# Altium PCB PCB22.PcbDoc (part 8 of 16)
Units mm, origin at the board's own origin, x right, y up, seen from the top; angles counter-clockwise.
Board outline 233.7 x 110.51 mm, 4 copper layers (Top Layer, Layer 1, Layer 2, Bottom Layer), stack 0.603 mm thick; 1249 components, 1355 nets, 4549 pads, 1315 vias.
Unrouted connection lines stored in the file: 1569.
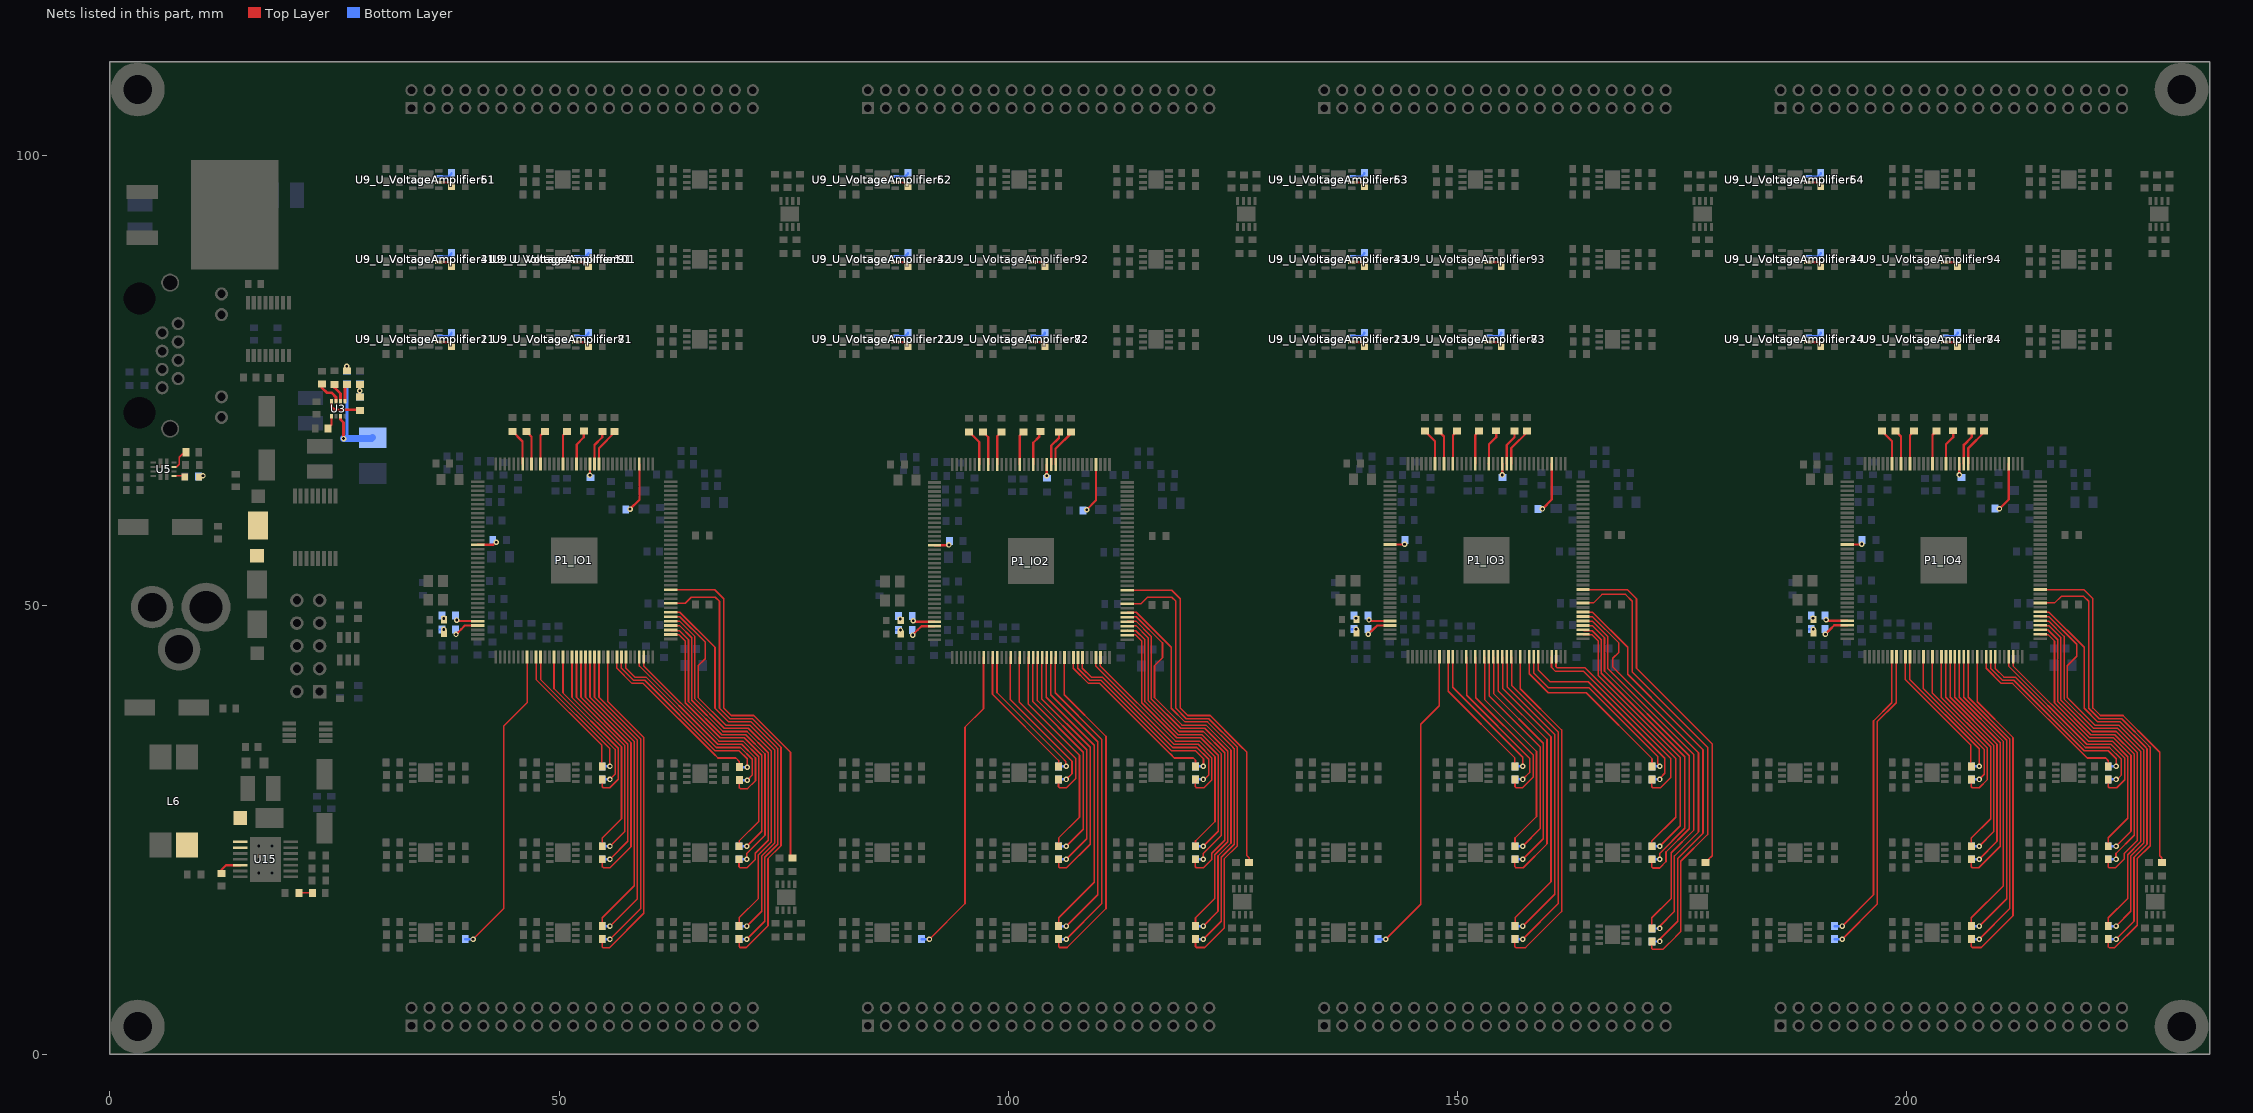
[diagram p10: the nets of this part, all layers, seen from the top]

## Via types
v1: diameter 0.61, hole 0.305, Top Layer to Bottom Layer, 1315 vias

## Nets (pads, with @x,y where several pads share a name; then routed paths per layer and width w, separated by ;. In a path a pad name is that pad's centre, name@x,y a point inside that pad or via, vN(x,y) a via of type N, cw(c..) or ccw(c..) an arc to the next point about the centre after c; other vN are vias at no path point) (continued)
GPIO_48_IO4: P1_IO4.43 R26_U_VoltageAmplifier254.1 | length 33.1
  Top Layer w0.178: v1(192.814,14.279) 196.298,17.764 196.298,37.119 198.332,39.153 P1_IO4.43@198.332,44.241
  Bottom Layer w0.254: R26_U_VoltageAmplifier254.1@191.95,14.279 v1(192.814,14.279)
GPIO_49_IO1: P1_IO1.44 R28_U_VoltageAmplifier251.1 | length 34.8
  Top Layer w0.178: v1(40.414,12.832) 43.83,16.248 43.83,36.548 46.432,39.15 P1_IO1.44@46.432,44.241
  Bottom Layer w0.254: R28_U_VoltageAmplifier251.1@39.55,12.832 v1(40.414,12.832)
GPIO_49_IO2: P1_IO2.44 R28_U_VoltageAmplifier252.1 | length 34.8
  Top Layer w0.178: v1(91.214,12.832) 95.178,16.796 95.178,36.431 97.232,38.485 P1_IO2.44@97.232,44.241
  Bottom Layer w0.254: R28_U_VoltageAmplifier252.1@90.35,12.832 v1(91.214,12.832)
GPIO_49_IO3: P1_IO3.44 R28_U_VoltageAmplifier253.1 | length 34.8
  Top Layer w0.178: v1(142.014,12.832) 145.893,16.711 145.893,36.742 147.954,38.802 147.954,44.235 P1_IO3.44@147.981,44.263
  Bottom Layer w0.254: R28_U_VoltageAmplifier253.1@141.15,12.832 v1(142.014,12.832)
GPIO_49_IO4: P1_IO4.44 R28_U_VoltageAmplifier254.1 | length 34.8
  Top Layer w0.178: v1(192.814,12.832) 196.724,16.742 196.724,37.042 198.832,39.15 P1_IO4.44@198.832,44.241
  Bottom Layer w0.254: R28_U_VoltageAmplifier254.1@191.95,12.832 v1(192.814,12.832)
GPIO_50_IO1: P1_IO1.52 R26_U_VoltageAmplifier261.1 | length 19.2
  Top Layer w0.178: P1_IO1.52@50.432,44.241 50.432,40.235 56.581,34.087 56.581,30.64 55.624,29.683 54.894,29.683 54.79,29.788 R26_U_VoltageAmplifier261.1@54.79,30.612
GPIO_50_IO2: P1_IO2.52 R26_U_VoltageAmplifier262.1 | length 19.4
  Top Layer w0.178: P1_IO2.52@101.232,44.241 101.232,39.199 107.491,32.94 107.491,30.702 106.46,29.672 105.683,29.672 105.578,29.776 R26_U_VoltageAmplifier262.1@105.578,30.6
  Top Layer w0.254: R26_U_VoltageAmplifier262.1@105.578,30.6 R26_U_VoltageAmplifier262.1@105.59,30.612
GPIO_50_IO3: P1_IO3.52 R26_U_VoltageAmplifier263.1 | length 19.4
  Top Layer w0.178: P1_IO3.52@152.032,44.241 152.032,39.708 158.426,33.313 158.426,30.885 157.225,29.683 156.494,29.683 156.39,29.788 R26_U_VoltageAmplifier263.1@156.39,30.612
GPIO_50_IO4: P1_IO4.52 R26_U_VoltageAmplifier264.1 | length 19.2
  Top Layer w0.178: P1_IO4.52@202.832,44.241 202.832,40.235 208.981,34.087 208.981,30.596 208.069,29.683 207.294,29.683 207.19,29.788 R26_U_VoltageAmplifier264.1@207.19,30.612
GPIO_51_IO1: P1_IO1.46 R28_U_VoltageAmplifier261.1 | length 15.2
  Top Layer w0.178: P1_IO1.46@47.432,44.241 47.432,41.726 54.728,34.431 54.728,32.121 R28_U_VoltageAmplifier261.1@54.79,32.059
  Top Layer w0.254: R28_U_VoltageAmplifier261.1@54.79,32.059 R28_U_VoltageAmplifier261.1@54.802,32.071
GPIO_51_IO2: P1_IO2.46 R28_U_VoltageAmplifier262.1 | length 15.2
  Top Layer w0.178: P1_IO2.46@98.232,44.241 98.232,40.073 105.59,32.715 R28_U_VoltageAmplifier262.1@105.59,32.059
GPIO_51_IO3: P1_IO3.46 R28_U_VoltageAmplifier263.1 | length 15.3
  Top Layer w0.178: P1_IO3.46@148.981,44.263 148.954,44.235 148.954,40.435 156.387,33.002 156.387,32.063 R28_U_VoltageAmplifier263.1@156.39,32.059
GPIO_51_IO4: P1_IO4.46 R28_U_VoltageAmplifier264.1 | length 15.2
  Top Layer w0.178: P1_IO4.46@199.832,44.241 199.832,41.726 207.128,34.431 207.128,32.121 R28_U_VoltageAmplifier264.1@207.19,32.059
GPIO_52_IO1: P1_IO1.47 R26_U_VoltageAmplifier271.1 | length 16.2
  Top Layer w0.178: P1_IO1.47@47.932,44.241 47.932,41.729 55.654,34.008 v1(55.654,32.059)
  Bottom Layer w0.254: R26_U_VoltageAmplifier271.1@54.79,32.059 v1(55.654,32.059)
GPIO_52_IO2: P1_IO2.47 R26_U_VoltageAmplifier272.1 | length 16.2
  Top Layer w0.178: P1_IO2.47@98.732,44.241 98.732,40.28 106.242,32.771 106.371,32.641 106.371,32.142 v1(106.454,32.059)
  Bottom Layer w0.254: R26_U_VoltageAmplifier272.1@105.59,32.059 v1(106.454,32.059)
GPIO_52_IO3: P1_IO3.47 R26_U_VoltageAmplifier273.1 | length 16.3
  Top Layer w0.178: P1_IO3.47@149.481,44.263 149.454,44.235 149.454,40.869 157.254,33.07 v1(157.254,32.059)
  Bottom Layer w0.254: R26_U_VoltageAmplifier273.1@156.39,32.059 v1(157.254,32.059)
GPIO_52_IO4: P1_IO4.47 R26_U_VoltageAmplifier274.1 | length 16.2
  Top Layer w0.178: P1_IO4.47@200.332,44.241 200.332,41.729 208.054,34.008 v1(208.054,32.059)
  Bottom Layer w0.254: R26_U_VoltageAmplifier274.1@207.19,32.059 v1(208.054,32.059)
GPIO_53_IO1: P1_IO1.50 R28_U_VoltageAmplifier271.1 | length 17.5
  Top Layer w0.178: P1_IO1.50@49.432,44.241 49.432,40.732 56.225,33.939 56.225,31.183 v1(55.654,30.612)
  Bottom Layer w0.254: R28_U_VoltageAmplifier271.1@54.79,30.612 v1(55.654,30.612)
GPIO_53_IO2: P1_IO2.50 R28_U_VoltageAmplifier272.1 | length 17.6
  Top Layer w0.178: P1_IO2.50@100.232,44.241 100.232,39.481 107.083,32.63 107.083,31.241 v1(106.454,30.612)
  Bottom Layer w0.254: R28_U_VoltageAmplifier272.1@105.59,30.612 v1(106.454,30.612)
GPIO_53_IO3: P1_IO3.50 R28_U_VoltageAmplifier273.1 | length 17.7
  Top Layer w0.178: P1_IO3.50@151.032,44.241 151.032,39.962 158.02,32.974 158.02,31.378 v1(157.254,30.612)
  Bottom Layer w0.254: R28_U_VoltageAmplifier273.1@156.39,30.612 v1(157.254,30.612)
GPIO_53_IO4: P1_IO4.50 R28_U_VoltageAmplifier274.1 | length 17.5
  Top Layer w0.178: P1_IO4.50@201.832,44.241 201.832,40.732 208.625,33.939 208.625,31.183 v1(208.054,30.612)
  Bottom Layer w0.254: R28_U_VoltageAmplifier274.1@207.19,30.612 v1(208.054,30.612)
GPIO_54_IO1: P1_IO1.57 R26_U_VoltageAmplifier281.1 | length 28.3
  Top Layer w0.178: P1_IO1.57@52.932,44.241 52.932,39.747 58.003,34.676 58.003,23.122 55.674,20.793 54.894,20.793 54.79,20.898 R26_U_VoltageAmplifier281.1@54.79,21.722
GPIO_54_IO2: P1_IO2.57 R26_U_VoltageAmplifier282.1 | length 28.5
  Top Layer w0.178: P1_IO2.57@103.732,44.241 103.732,39.558 109.109,34.181 109.109,23.396 106.506,20.793 105.694,20.793 105.59,20.898 R26_U_VoltageAmplifier282.1@105.59,21.722
GPIO_54_IO3: P1_IO3.57 R26_U_VoltageAmplifier283.1 | length 28.6
  Top Layer w0.178: P1_IO3.57@154.481,44.263 154.51,44.234 154.51,40.491 159.95,35.051 159.95,23.432 157.306,20.788 156.488,20.788 156.384,20.892 R26_U_VoltageAmplifier283.1@156.384,21.716
  Top Layer w0.254: R26_U_VoltageAmplifier283.1@156.378,21.71 R26_U_VoltageAmplifier283.1@156.39,21.722
GPIO_54_IO4: P1_IO4.57 R26_U_VoltageAmplifier284.1 | length 28.3
  Top Layer w0.178: P1_IO4.57@205.332,44.241 205.332,39.747 210.403,34.676 210.403,23.176 208.009,20.782 207.283,20.782 207.178,20.886 R26_U_VoltageAmplifier284.1@207.178,21.71
  Top Layer w0.254: R26_U_VoltageAmplifier284.1@207.178,21.71 R26_U_VoltageAmplifier284.1@207.19,21.722
GPIO_55_IO1: P1_IO1.54 R28_U_VoltageAmplifier281.1 | length 24.2
  Top Layer w0.178: P1_IO1.54@51.432,44.241 51.432,39.738 56.936,34.234 56.936,26.232 54.802,24.098 54.802,23.181 R28_U_VoltageAmplifier281.1@54.79,23.169
GPIO_55_IO2: P1_IO2.54 R28_U_VoltageAmplifier282.1 | length 24.4
  Top Layer w0.178: P1_IO2.54@102.232,44.241 102.232,38.989 107.915,33.306 107.915,26.411 105.59,24.086 R28_U_VoltageAmplifier282.1@105.59,23.169
GPIO_55_IO3: P1_IO3.54 R28_U_VoltageAmplifier283.1 | length 24.5
  Top Layer w0.178: P1_IO3.54@152.981,44.263 153.01,44.234 153.01,39.494 158.782,33.722 158.782,26.478 156.39,24.086 R28_U_VoltageAmplifier283.1@156.39,23.169
GPIO_55_IO4: P1_IO4.54 R28_U_VoltageAmplifier284.1 | length 24.2
  Top Layer w0.178: P1_IO4.54@203.832,44.241 203.832,39.738 209.336,34.234 209.336,26.232 207.19,24.086 R28_U_VoltageAmplifier284.1@207.19,23.169
GPIO_56_IO1: P1_IO1.55 R26_U_VoltageAmplifier291.1 | length 24.8
  Top Layer w0.178: P1_IO1.55@51.932,44.241 51.932,39.741 57.292,34.381 57.292,24.808 v1(55.654,23.169)
  Bottom Layer w0.254: R26_U_VoltageAmplifier291.1@54.79,23.169 v1(55.654,23.169)
GPIO_56_IO2: P1_IO2.55 R26_U_VoltageAmplifier292.1 | length 25
  Top Layer w0.178: P1_IO2.55@102.732,44.241 102.732,39.25 108.339,33.643 108.339,25.055 v1(106.454,23.169)
  Bottom Layer w0.254: R26_U_VoltageAmplifier292.1@105.59,23.169 v1(106.454,23.169)
GPIO_56_IO3: P1_IO3.55 R26_U_VoltageAmplifier293.1 | length 25.1
  Top Layer w0.178: P1_IO3.55@153.481,44.263 153.51,44.234 153.51,39.926 159.188,34.247 159.188,25.104 v1(157.254,23.169)
  Bottom Layer w0.254: R26_U_VoltageAmplifier293.1@156.39,23.169 v1(157.254,23.169)
GPIO_56_IO4: P1_IO4.55 R26_U_VoltageAmplifier294.1 | length 24.8
  Top Layer w0.178: P1_IO4.55@204.332,44.241 204.332,39.741 209.692,34.381 209.692,24.808 v1(208.054,23.169)
  Bottom Layer w0.254: R26_U_VoltageAmplifier294.1@207.19,23.169 v1(208.054,23.169)
GPIO_57_IO1: P1_IO1.56 R28_U_VoltageAmplifier291.1 | length 26.4
  Top Layer w0.178: P1_IO1.56@52.432,44.241 52.432,39.744 57.647,34.528 57.647,23.715 v1(55.654,21.722)
  Bottom Layer w0.254: R28_U_VoltageAmplifier291.1@54.79,21.722 v1(55.654,21.722)
GPIO_57_IO2: P1_IO2.56 R28_U_VoltageAmplifier292.1 | length 26.6
  Top Layer w0.178: P1_IO2.56@103.232,44.241 103.232,39.397 108.731,33.898 108.731,23.999 v1(106.454,21.722)
  Bottom Layer w0.254: R28_U_VoltageAmplifier292.1@105.59,21.722 v1(106.454,21.722)
GPIO_57_IO3: P1_IO3.56 R28_U_VoltageAmplifier293.1 | length 26.7
  Top Layer w0.178: P1_IO3.56@153.981,44.263 154.01,44.234 154.01,40.171 159.544,34.637 159.544,24.012 v1(157.254,21.722)
  Bottom Layer w0.254: R28_U_VoltageAmplifier293.1@156.39,21.722 v1(157.254,21.722)
GPIO_57_IO4: P1_IO4.56 R28_U_VoltageAmplifier294.1 | length 26.4
  Top Layer w0.178: P1_IO4.56@204.832,44.241 204.832,39.744 210.047,34.528 210.047,23.715 v1(208.054,21.722)
  Bottom Layer w0.254: R28_U_VoltageAmplifier294.1@207.19,21.722 v1(208.054,21.722)
GPIO_58_IO1: P1_IO1.62 R26_U_VoltageAmplifier301.1 | length 37.3
  Top Layer w0.178: R26_U_VoltageAmplifier301.1@54.778,12.82 54.778,11.996 54.883,11.892 55.619,11.892 59.425,15.698 59.425,35.265 55.432,39.258 P1_IO1.62@55.432,44.241
  Top Layer w0.254: R26_U_VoltageAmplifier301.1@54.778,12.82 R26_U_VoltageAmplifier301.1@54.79,12.832
GPIO_58_IO2: P1_IO2.62 R26_U_VoltageAmplifier302.1 | length 37.9
  Top Layer w0.178: R26_U_VoltageAmplifier302.1@105.59,12.832 105.59,12.008 105.694,11.903 106.529,11.903 110.868,16.242 110.868,35.381 106.232,40.017 P1_IO2.62@106.232,44.241
GPIO_58_IO3: P1_IO3.62 R26_U_VoltageAmplifier303.1 | length 38
  Top Layer w0.178: R26_U_VoltageAmplifier303.1@156.378,12.82 156.378,11.996 156.483,11.892 157.564,11.892 161.576,15.904 161.576,36.104 156.973,40.707 156.973,44.254 P1_IO3.62@156.981,44.263
  Top Layer w0.254: R26_U_VoltageAmplifier303.1@156.378,12.82 R26_U_VoltageAmplifier303.1@156.39,12.832
GPIO_58_IO4: P1_IO4.62 R26_U_VoltageAmplifier304.1 | length 37.4
  Top Layer w0.178: R26_U_VoltageAmplifier304.1@207.19,12.832 207.19,12.008 207.294,11.903 208.299,11.903 211.825,15.43 211.825,35.265 207.832,39.258 P1_IO4.62@207.832,44.241
GPIO_59_IO1: P1_IO1.58 R28_U_VoltageAmplifier301.1 | length 33.5
  Top Layer w0.178: P1_IO1.58@53.432,44.241 53.432,39.75 58.359,34.823 58.359,18.765 54.802,15.208 54.802,14.291 R28_U_VoltageAmplifier301.1@54.79,14.279
GPIO_59_IO2: P1_IO2.58 R28_U_VoltageAmplifier302.1 | length 33.8
  Top Layer w0.178: P1_IO2.58@104.232,44.241 104.232,39.75 109.563,34.419 109.563,19.169 105.602,15.208 105.602,14.291 R28_U_VoltageAmplifier302.1@105.59,14.279
GPIO_59_IO3: P1_IO3.58 R28_U_VoltageAmplifier303.1 | length 33.9
  Top Layer w0.178: P1_IO3.58@154.981,44.263 155.01,44.234 155.01,40.755 160.4,35.366 160.4,19.206 156.402,15.208 R28_U_VoltageAmplifier303.1@156.402,14.291
  Top Layer w0.254: R28_U_VoltageAmplifier303.1@156.39,14.279 R28_U_VoltageAmplifier303.1@156.402,14.291
GPIO_59_IO4: P1_IO4.58 R28_U_VoltageAmplifier304.1 | length 33.5
  Top Layer w0.178: P1_IO4.58@205.832,44.241 205.832,39.75 210.759,34.823 210.759,18.765 207.19,15.196 R28_U_VoltageAmplifier304.1@207.19,14.279
GPIO_60_IO1: P1_IO1.59 R26_U_VoltageAmplifier311.1 | length 34.1
  Top Layer w0.178: P1_IO1.59@53.932,44.241 53.932,39.752 58.714,34.97 58.714,17.34 v1(55.654,14.279)
  Bottom Layer w0.254: R26_U_VoltageAmplifier311.1@54.79,14.279 v1(55.654,14.279)
GPIO_60_IO2: P1_IO2.59 R26_U_VoltageAmplifier312.1 | length 34.4
  Top Layer w0.178: P1_IO2.59@104.732,44.241 104.732,40.037 109.954,34.815 109.954,17.78 v1(106.454,14.279)
  Bottom Layer w0.254: R26_U_VoltageAmplifier312.1@105.59,14.279 v1(106.454,14.279)
GPIO_60_IO3: P1_IO3.59 R26_U_VoltageAmplifier313.1 | length 34.5
  Top Layer w0.178: P1_IO3.59@155.481,44.263 155.51,44.234 155.51,40.908 160.814,35.604 160.814,17.84 v1(157.254,14.279)
  Bottom Layer w0.254: R26_U_VoltageAmplifier313.1@156.39,14.279 v1(157.254,14.279)
GPIO_60_IO4: P1_IO4.59 R26_U_VoltageAmplifier314.1 | length 34.1
  Top Layer w0.178: P1_IO4.59@206.332,44.241 206.332,39.752 211.114,34.97 211.114,17.34 v1(208.054,14.279)
  Bottom Layer w0.254: R26_U_VoltageAmplifier314.1@207.19,14.279 v1(208.054,14.279)
GPIO_61_IO1: P1_IO1.60 R28_U_VoltageAmplifier311.1 | length 35.6
  Top Layer w0.178: P1_IO1.60@54.432,44.241 54.432,39.755 59.07,35.118 59.07,16.248 v1(55.654,12.832)
  Bottom Layer w0.254: R28_U_VoltageAmplifier311.1@54.79,12.832 v1(55.654,12.832)
GPIO_61_IO2: P1_IO2.60 R28_U_VoltageAmplifier312.1 | length 36.1
  Top Layer w0.178: P1_IO2.60@105.232,44.241 105.232,40.241 110.411,35.062 110.411,16.789 v1(106.454,12.832)
  Bottom Layer w0.254: R28_U_VoltageAmplifier312.1@105.59,12.832 v1(106.454,12.832)
GPIO_61_IO3: P1_IO3.60 R28_U_VoltageAmplifier313.1 | length 36.1
  Top Layer w0.178: P1_IO3.60@155.981,44.263 156.01,44.234 156.01,41.097 161.22,35.887 161.22,16.798 v1(157.254,12.832)
  Bottom Layer w0.254: R28_U_VoltageAmplifier313.1@156.39,12.832 v1(157.254,12.832)
GPIO_61_IO4: P1_IO4.60 R28_U_VoltageAmplifier314.1 | length 35.6
  Top Layer w0.178: P1_IO4.60@206.832,44.241 206.832,39.755 211.47,35.118 211.47,16.248 v1(208.054,12.832)
  Bottom Layer w0.254: R28_U_VoltageAmplifier314.1@207.19,12.832 v1(208.054,12.832)
GPIO_62_IO1: P1_IO1.69 R26_U_VoltageAmplifier321.1 | length 23.7
  Top Layer w0.178: P1_IO1.69@58.932,44.241 58.932,43.234 67.646,34.52 70.323,34.52 71.85,32.993 71.85,30.47 70.967,29.586 70.158,29.586 70.054,29.691 R26_U_VoltageAmplifier321.1@70.054,30.515
  Top Layer w0.254: R26_U_VoltageAmplifier321.1@70.048,30.509 R26_U_VoltageAmplifier321.1@70.06,30.52
GPIO_62_IO2: P1_IO2.69 R26_U_VoltageAmplifier322.1 | length 23.7
  Top Layer w0.178: P1_IO2.69@109.732,44.241 109.732,43.234 118.446,34.52 121.123,34.52 122.65,32.993 122.65,30.552 121.776,29.678 120.928,29.678 120.824,29.782 R26_U_VoltageAmplifier322.1@120.824,30.606
  Top Layer w0.254: R26_U_VoltageAmplifier322.1@120.818,30.6 R26_U_VoltageAmplifier322.1@120.83,30.612
GPIO_62_IO3: P1_IO3.69 R26_U_VoltageAmplifier323.1 | length 24.2
  Top Layer w0.178: P1_IO3.69@160.481,44.263 160.461,44.242 160.461,43.085 160.914,42.632 164.038,42.632 173.714,32.956 173.714,30.8 172.597,29.683 171.734,29.683 171.63,29.788 R26_U_VoltageAmplifier323.1@171.63,30.612
GPIO_62_IO4: P1_IO4.69 R26_U_VoltageAmplifier324.1 | length 23.7
  Top Layer w0.178: P1_IO4.69@211.332,44.241 211.332,43.234 220.046,34.52 222.723,34.52 224.25,32.993 224.25,30.559 223.375,29.683 222.534,29.683 222.43,29.788 R26_U_VoltageAmplifier324.1@222.43,30.612
GPIO_63_IO1: P1_IO1.64 R28_U_VoltageAmplifier321.1 | length 19.8
  Top Layer w0.178: P1_IO1.64@56.432,44.241 56.432,42.978 58.12,41.29 59.367,41.29 67.204,33.453 67.214,33.453 67.68,32.988 69.674,32.988 70.06,32.601 R28_U_VoltageAmplifier321.1@70.06,31.968
  Top Layer w0.254: R28_U_VoltageAmplifier321.1@70.042,31.986 R28_U_VoltageAmplifier321.1@70.06,31.968
GPIO_63_IO2: P1_IO2.64 R28_U_VoltageAmplifier322.1 | length 19.8
  Top Layer w0.178: P1_IO2.64@107.232,44.241 107.232,42.978 108.92,41.29 110.167,41.29 118.004,33.453 118.014,33.453 118.48,32.988 120.602,32.988 120.83,32.76 R28_U_VoltageAmplifier322.1@120.83,32.059
  Top Layer w0.254: R28_U_VoltageAmplifier322.1@120.83,32.059 R28_U_VoltageAmplifier322.1@120.842,32.071 ; R28_U_VoltageAmplifier322.1@120.842,31.986 R28_U_VoltageAmplifier322.1@120.86,31.968
GPIO_63_IO3: P1_IO3.64 R28_U_VoltageAmplifier323.1 | length 20.3
  Top Layer w0.178: P1_IO3.64@157.981,44.263 157.981,42.373 160.099,40.256 164.312,40.256 171.642,32.926 R28_U_VoltageAmplifier323.1@171.642,32.071
  Top Layer w0.254: R28_U_VoltageAmplifier323.1@171.63,32.059 R28_U_VoltageAmplifier323.1@171.642,32.071
GPIO_63_IO4: P1_IO4.64 R28_U_VoltageAmplifier324.1 | length 19.8
  Top Layer w0.178: P1_IO4.64@208.832,44.241 208.832,42.978 210.52,41.29 211.767,41.29 219.604,33.453 219.614,33.453 220.08,32.988 222.143,32.988 222.43,32.701 R28_U_VoltageAmplifier324.1@222.43,32.059
GPIO_64_IO1: P1_IO1.65 R26_U_VoltageAmplifier331.1 | length 21.2
  Top Layer w0.178: P1_IO1.65@56.932,44.238 56.932,42.981 58.267,41.646 59.515,41.646 67.351,33.809 70.029,33.809 70.923,32.914 v1(70.923,31.968)
  Bottom Layer w0.254: R26_U_VoltageAmplifier331.1@70.06,31.968 v1(70.923,31.968)
GPIO_64_IO2: P1_IO2.65 R26_U_VoltageAmplifier332.1 | length 21.2
  Top Layer w0.178: P1_IO2.65@107.732,44.238 107.732,42.981 109.067,41.646 110.315,41.646 118.151,33.809 120.829,33.809 121.723,32.914 v1@121.723,31.968
  Bottom Layer w0.254: R26_U_VoltageAmplifier332.1@120.83,32.059 v1(121.694,32.059)
GPIO_64_IO3: P1_IO3.65 R26_U_VoltageAmplifier333.1 | length 21.5
  Top Layer w0.178: P1_IO3.65@158.481,44.263 158.463,44.244 158.463,42.47 160.127,40.806 164.632,40.806 171.561,33.876 172.278,33.16 172.278,32.379 v1@172.523,32.134
  Bottom Layer w0.254: R26_U_VoltageAmplifier333.1@171.63,32.059 v1(172.494,32.059)
GPIO_64_IO4: P1_IO4.65 R26_U_VoltageAmplifier334.1 | length 21.2
  Top Layer w0.178: P1_IO4.65@209.332,44.238 209.332,42.981 210.667,41.646 211.915,41.646 219.751,33.809 222.429,33.809 223.323,32.914 v1@223.323,31.968
  Bottom Layer w0.254: R26_U_VoltageAmplifier334.1@222.43,32.059 v1(223.294,32.059)
GPIO_65_IO1: P1_IO1.66 R28_U_VoltageAmplifier331.1 | length 22.9
  Top Layer w0.178: P1_IO1.66@57.432,44.241 57.432,42.983 58.414,42.001 59.662,42.001 67.499,34.165 70.176,34.165 71.495,32.845 71.495,31.092 v1(70.923,30.52)
  Bottom Layer w0.254: R28_U_VoltageAmplifier331.1@70.06,30.52 v1(70.923,30.52)
GPIO_65_IO2: P1_IO2.66 R28_U_VoltageAmplifier332.1 | length 22.9
  Top Layer w0.178: P1_IO2.66@108.232,44.241 108.232,42.983 109.214,42.001 110.462,42.001 118.299,34.165 120.976,34.165 122.295,32.845 122.295,31.092 v1@121.723,30.52
  Bottom Layer w0.254: R28_U_VoltageAmplifier332.1@120.83,30.612 v1(121.694,30.612)
GPIO_65_IO3: P1_IO3.66 R28_U_VoltageAmplifier333.1 | length 23.2
  Top Layer w0.178: P1_IO3.66@158.981,44.263 158.981,42.779 160.282,41.479 164.551,41.479 173.065,32.964 173.065,31.294 172.523,30.753 v1@172.523,30.52
  Bottom Layer w0.254: R28_U_VoltageAmplifier333.1@171.63,30.612 v1(172.494,30.612)
GPIO_65_IO4: P1_IO4.66 R28_U_VoltageAmplifier334.1 | length 22.9
  Top Layer w0.178: P1_IO4.66@209.832,44.241 209.832,42.983 210.814,42.001 212.062,42.001 219.899,34.165 222.576,34.165 223.895,32.845 223.895,31.092 v1@223.323,30.52
  Bottom Layer w0.254: R28_U_VoltageAmplifier334.1@222.43,30.612 v1(223.294,30.612)
GPIO_66_IO1: P1_IO1.76 R26_U_VoltageAmplifier341.1 | length 36.3
  Top Layer w0.178: P1_IO1.76@62.42,47.729 63.401,47.729 64.756,46.373 64.756,39.421 68.235,35.943 70.912,35.943 73.273,33.582 73.273,23.827 71.829,22.382 71.829,21.703 70.907,20.782 70.123,20.782 70.018,20.886 R26_U_VoltageAmplifier341.1@70.018,21.71
  Top Layer w0.254: R26_U_VoltageAmplifier341.1@70.018,21.71 R26_U_VoltageAmplifier341.1@70.03,21.722
GPIO_66_IO2: P1_IO2.76 R26_U_VoltageAmplifier342.1 | length 36.3
  Top Layer w0.178: P1_IO2.76@113.22,47.729 114.201,47.729 115.556,46.373 115.556,39.421 119.035,35.943 121.712,35.943 124.073,33.582 124.073,23.827 122.629,22.382 122.629,21.689 121.721,20.782 120.923,20.782 120.818,20.886 R26_U_VoltageAmplifier342.1@120.818,21.71
  Top Layer w0.254: R26_U_VoltageAmplifier342.1@120.818,21.71 R26_U_VoltageAmplifier342.1@120.83,21.722
GPIO_66_IO3: P1_IO3.76 R26_U_VoltageAmplifier343.1 | length 35.6
  Top Layer w0.178: P1_IO3.76@164.02,47.729 165.001,47.729 166.356,46.373 166.356,42.673 175.8,33.229 175.8,25.12 173.206,22.526 173.206,21.463 172.496,20.753 171.723,20.753 171.618,20.857 R26_U_VoltageAmplifier343.1@171.618,21.71
  Top Layer w0.254: R26_U_VoltageAmplifier343.1@171.618,21.71 R26_U_VoltageAmplifier343.1@171.63,21.722
GPIO_66_IO4: P1_IO4.76 R26_U_VoltageAmplifier344.1 | length 36.3
  Top Layer w0.178: P1_IO4.76@214.82,47.729 215.801,47.729 217.156,46.373 217.156,39.421 220.635,35.943 223.312,35.943 225.673,33.582 225.673,23.827 224.229,22.382 224.229,21.769 223.241,20.782 222.523,20.782 222.418,20.886 R26_U_VoltageAmplifier344.1@222.418,21.71
  Top Layer w0.254: R26_U_VoltageAmplifier344.1@222.418,21.71 R26_U_VoltageAmplifier344.1@222.43,21.722
GPIO_67_IO1: P1_IO1.70 R28_U_VoltageAmplifier341.1 | length 28.8
  Top Layer w0.178: P1_IO1.70@59.432,44.241 59.432,43.237 67.793,34.876 70.47,34.876 72.206,33.14 72.206,25.928 70.03,23.752 R28_U_VoltageAmplifier341.1@70.03,23.169
  Top Layer w0.254: R28_U_VoltageAmplifier341.1@70.03,23.169 R28_U_VoltageAmplifier341.1@70.042,23.181
GPIO_67_IO2: P1_IO2.70 R28_U_VoltageAmplifier342.1 | length 28.9
  Top Layer w0.178: P1_IO2.70@110.232,44.241 110.232,43.237 118.593,34.876 121.27,34.876 123.006,33.14 123.006,25.928 120.83,23.752 R28_U_VoltageAmplifier342.1@120.83,23.169
  Top Layer w0.254: R28_U_VoltageAmplifier342.1@120.83,23.169 120.842,23.181 R28_U_VoltageAmplifier342.1@120.83,23.169
GPIO_67_IO3: P1_IO3.70 R28_U_VoltageAmplifier343.1 | length 29.5
  Top Layer w0.178: P1_IO3.70@160.981,44.263 160.955,44.237 160.955,43.135 161.059,43.03 164.184,43.03 174.276,32.938 174.276,26.398 171.63,23.752 R28_U_VoltageAmplifier343.1@171.63,23.169